# Altium PCB 驱动板 - 副本.PcbDoc
Units mm, origin at the board's own origin, x right, y up, seen from the top; angles counter-clockwise.
Board outline 85 x 75 mm, 4 copper layers (Top Layer, Mid 1, Mid 2, Bottom Layer), stack 1.58 mm thick; 134 components, 87 nets, 501 pads, 323 vias.
Unrouted connection lines stored in the file: 87.
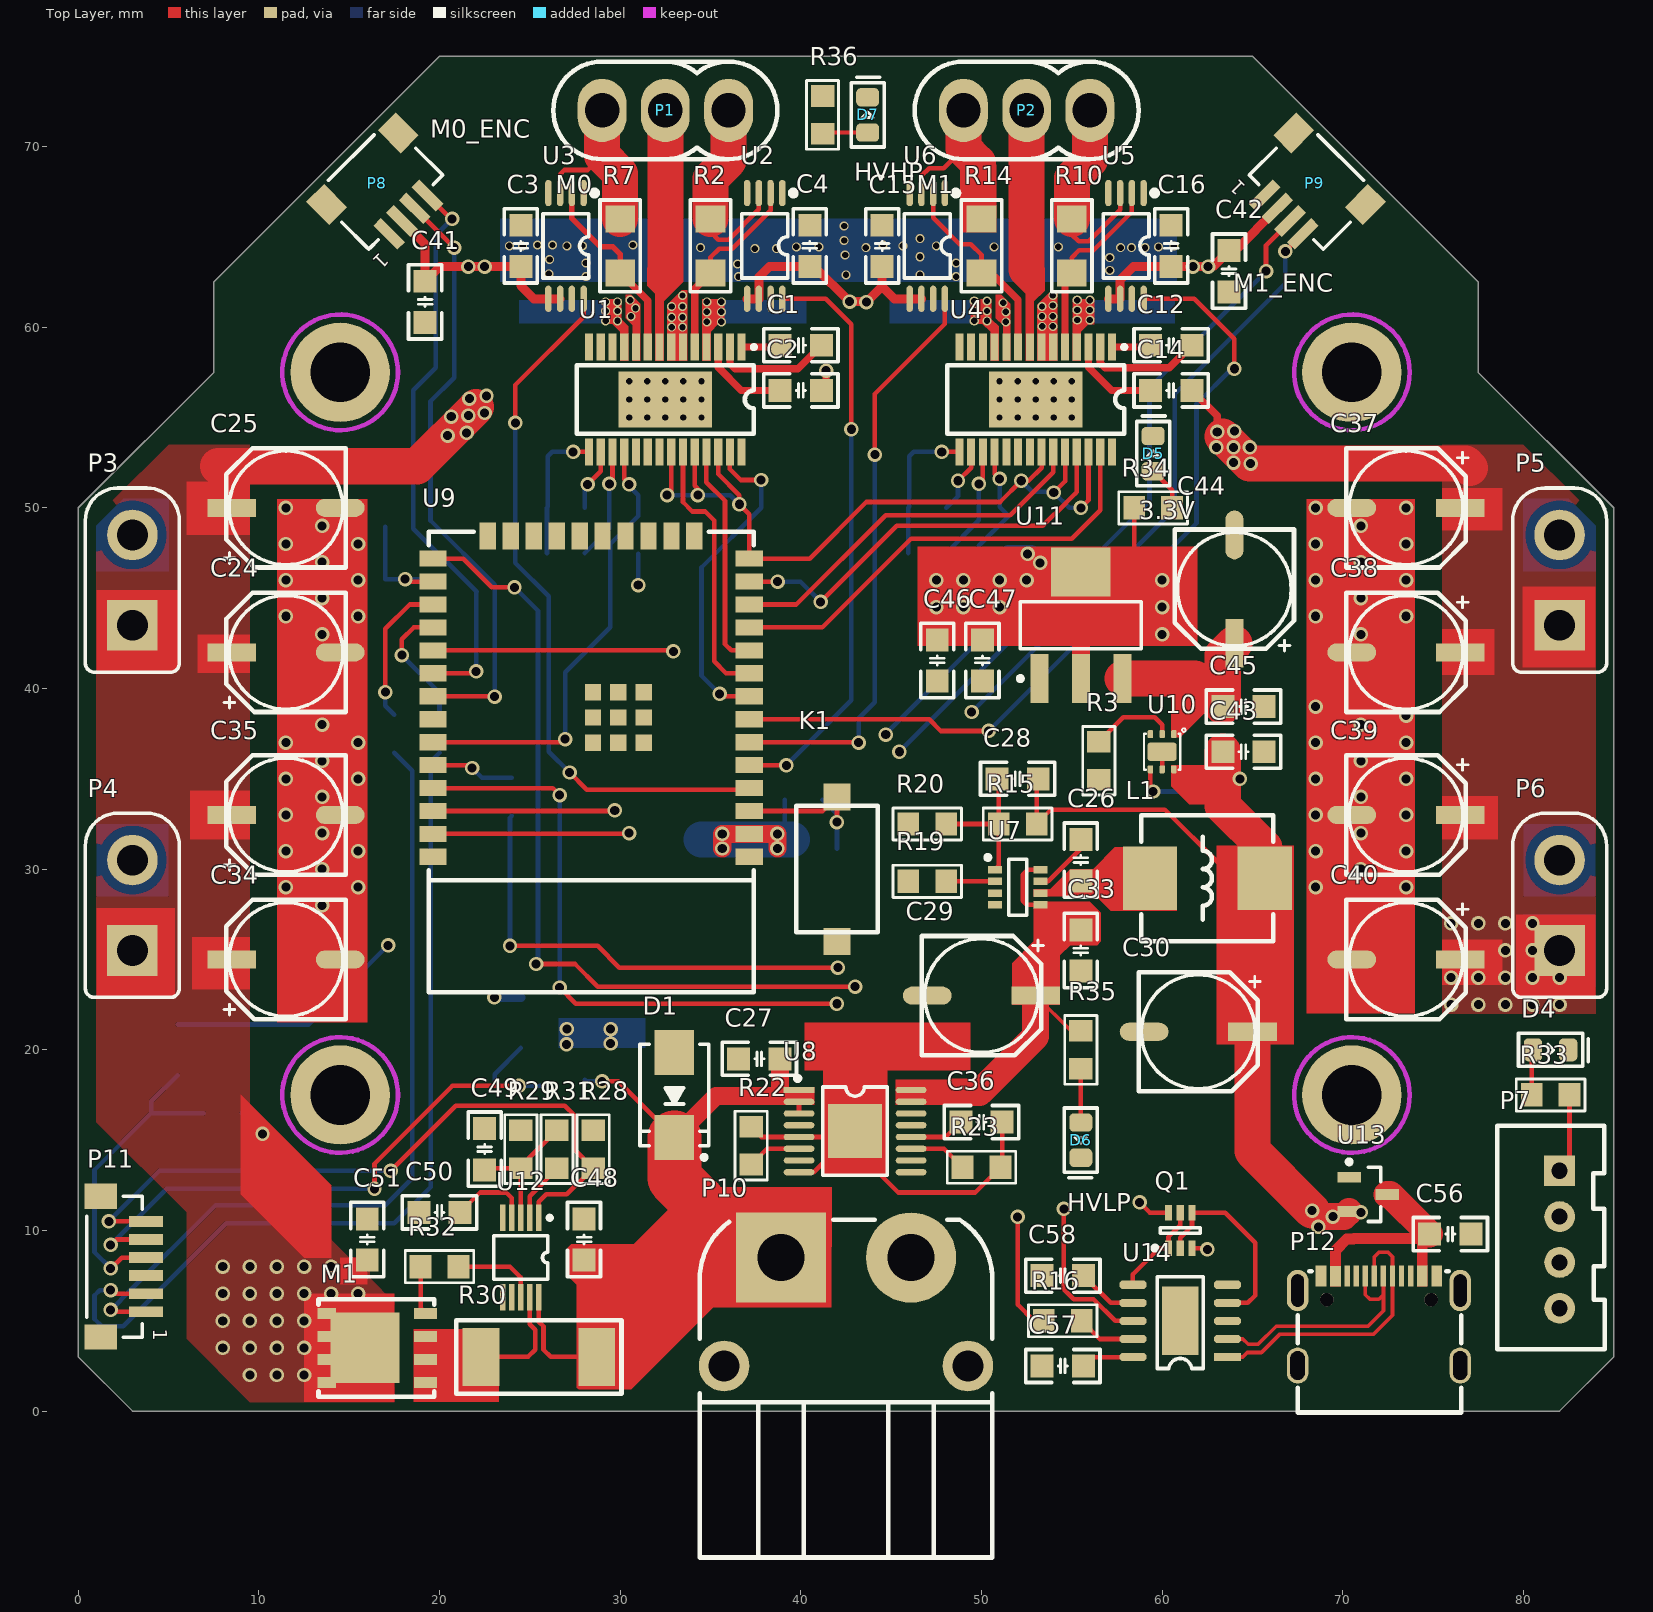
[diagram p0: Top Layer view]
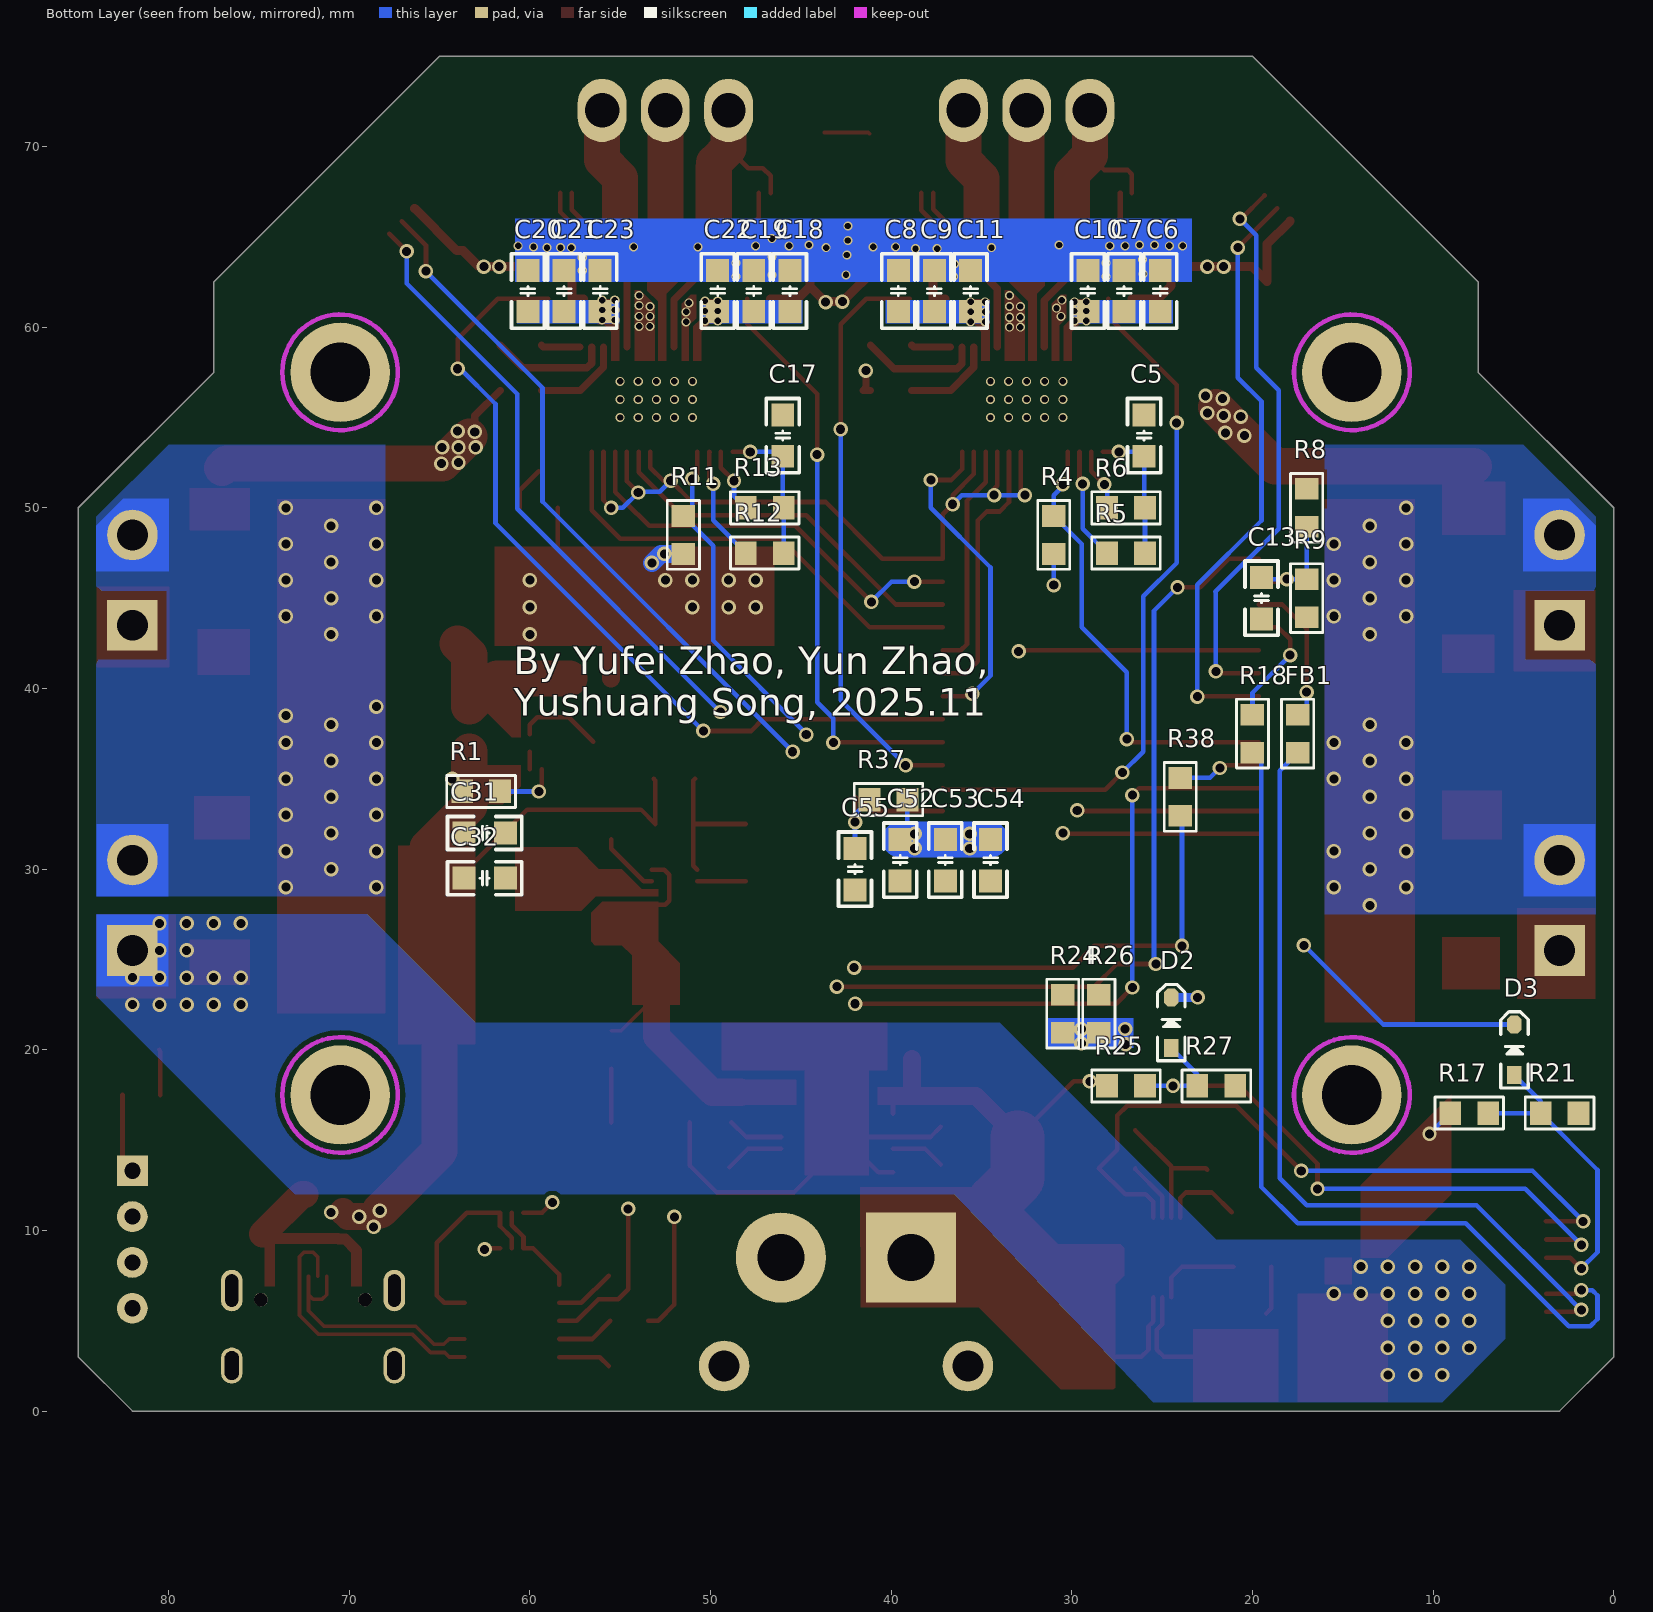
[diagram p1: Bottom Layer view, seen from below]
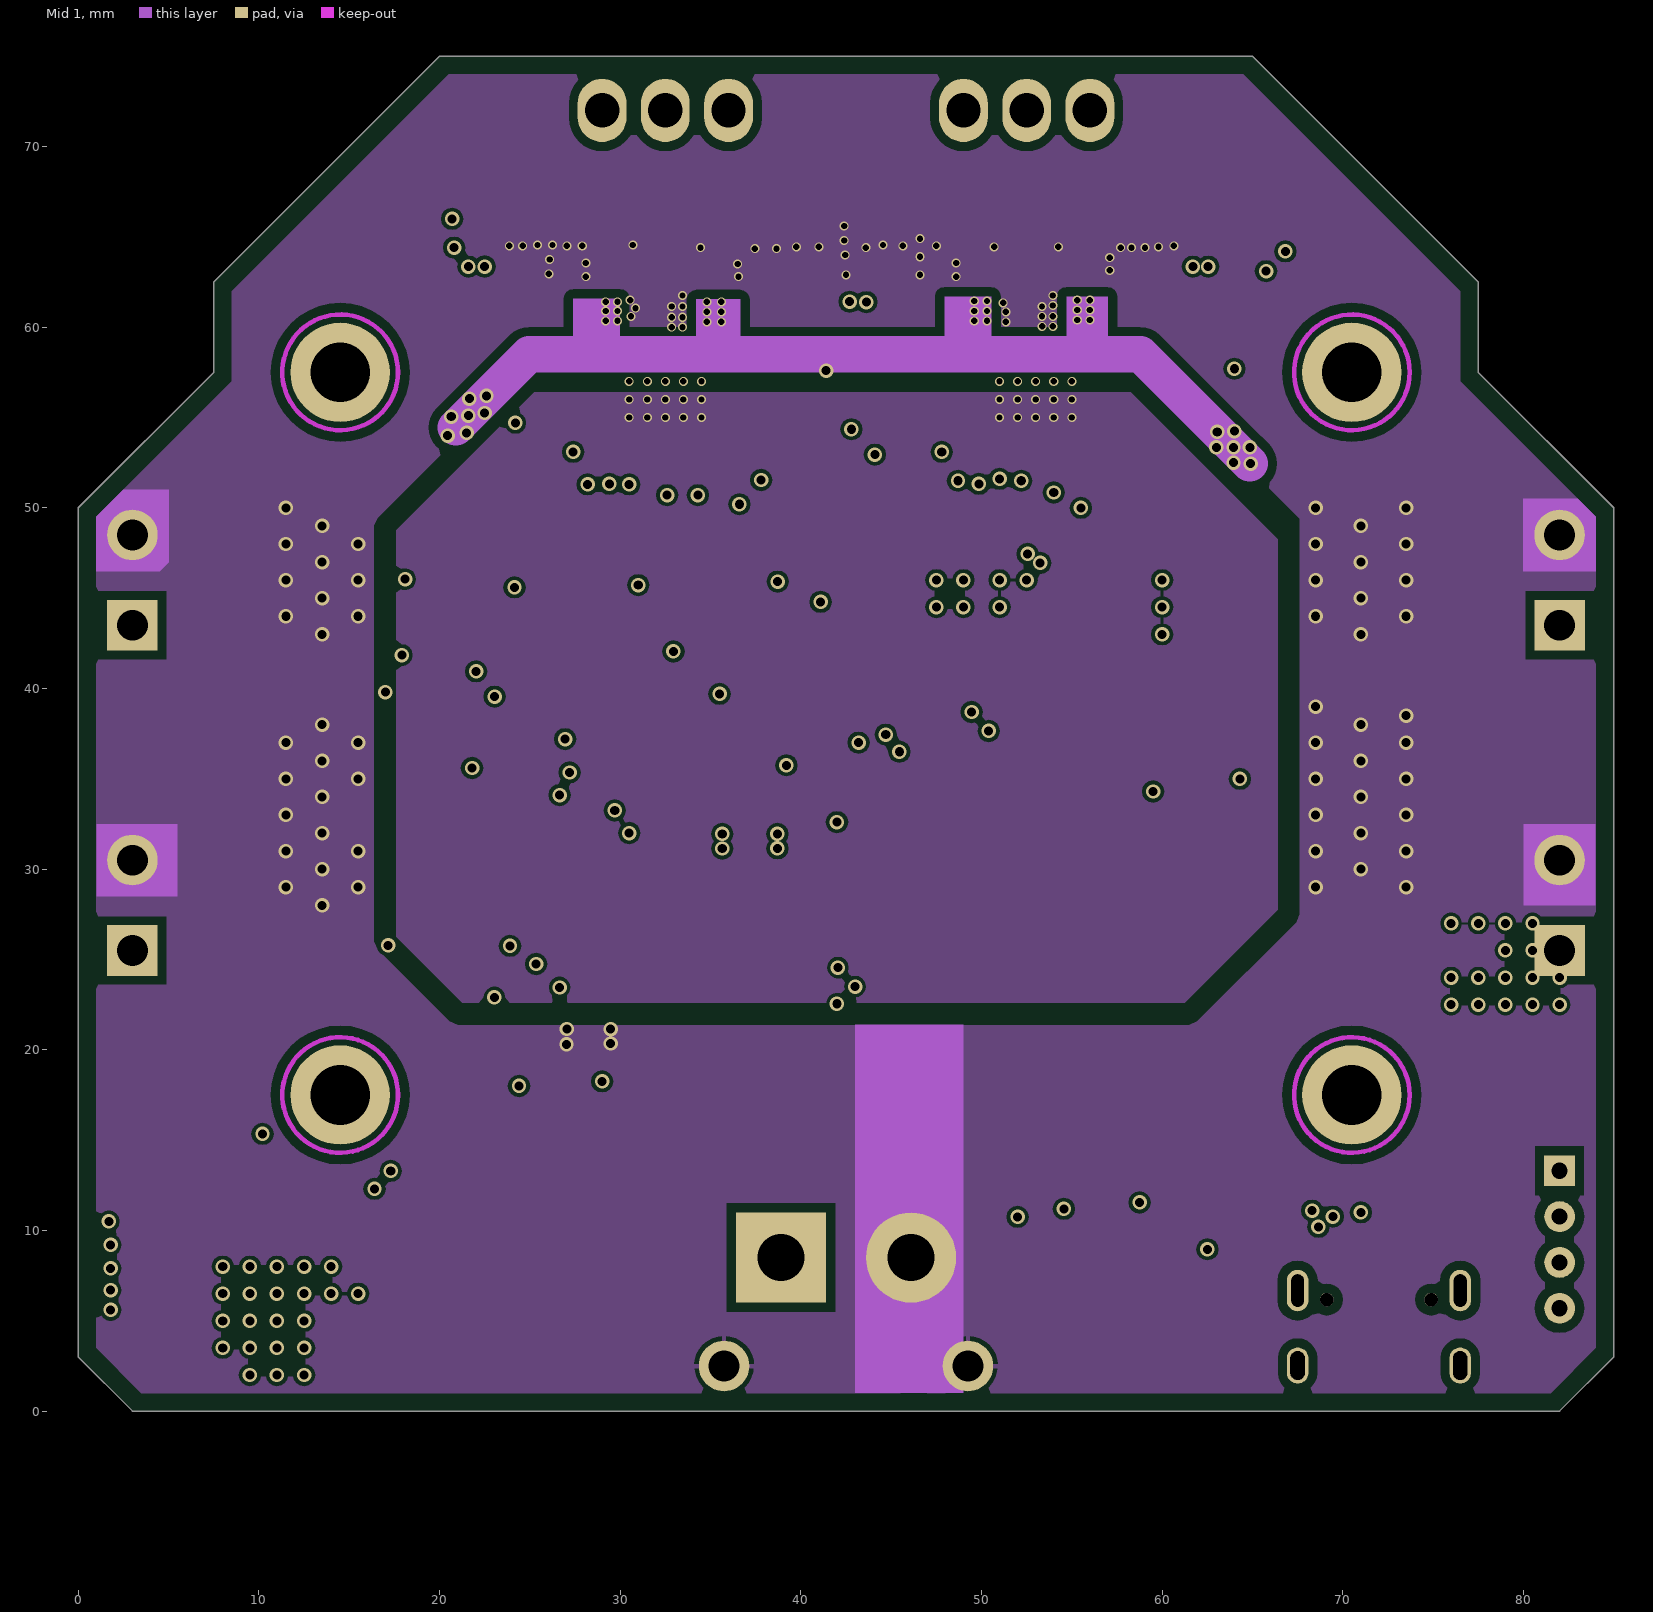
[diagram p2: Mid 1]
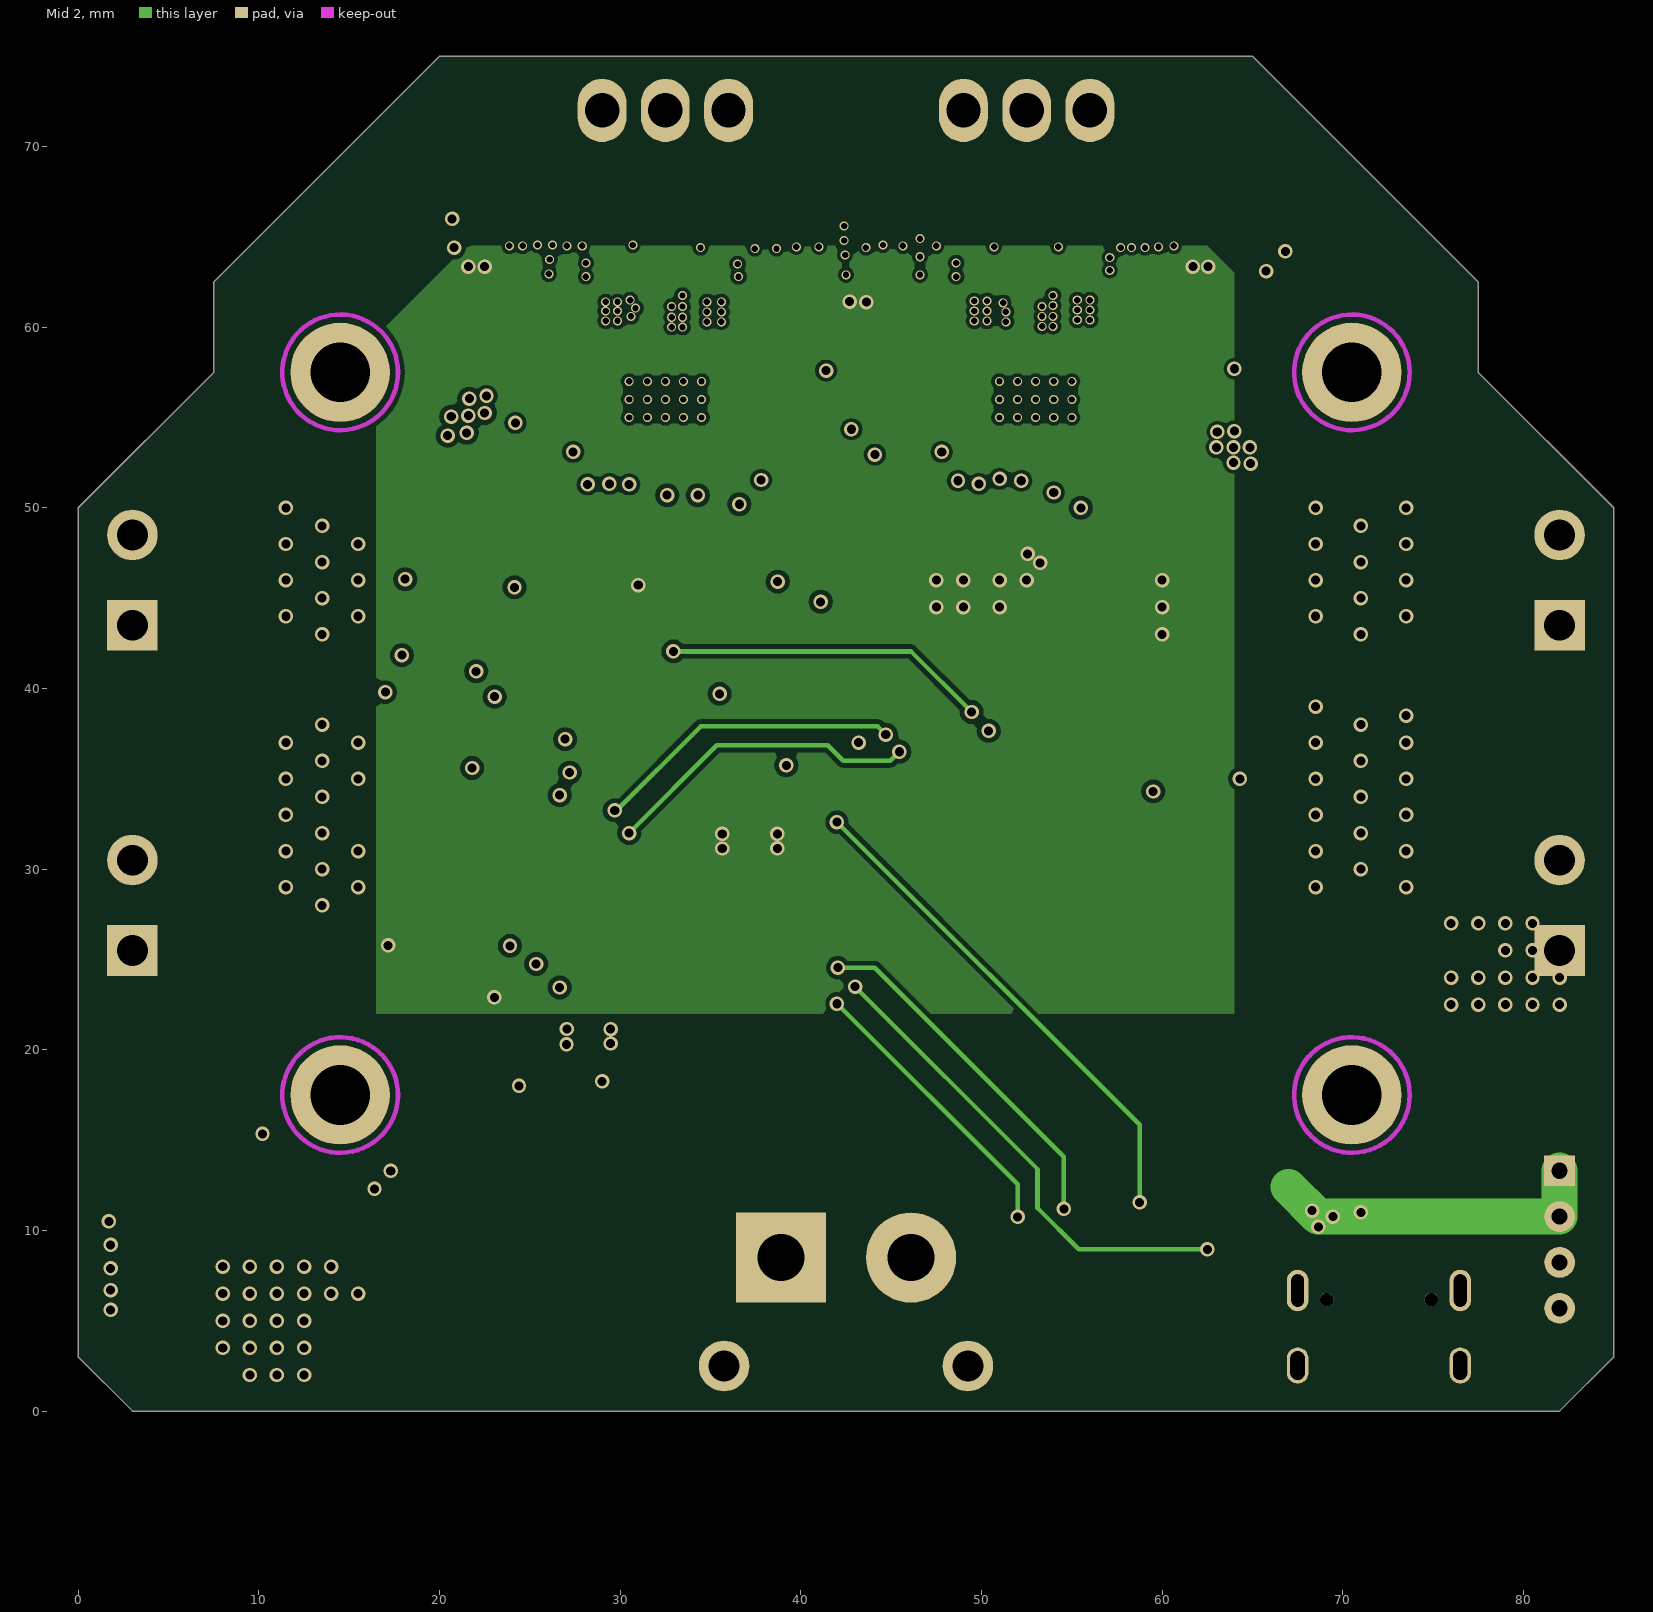
[diagram p3: Mid 2]
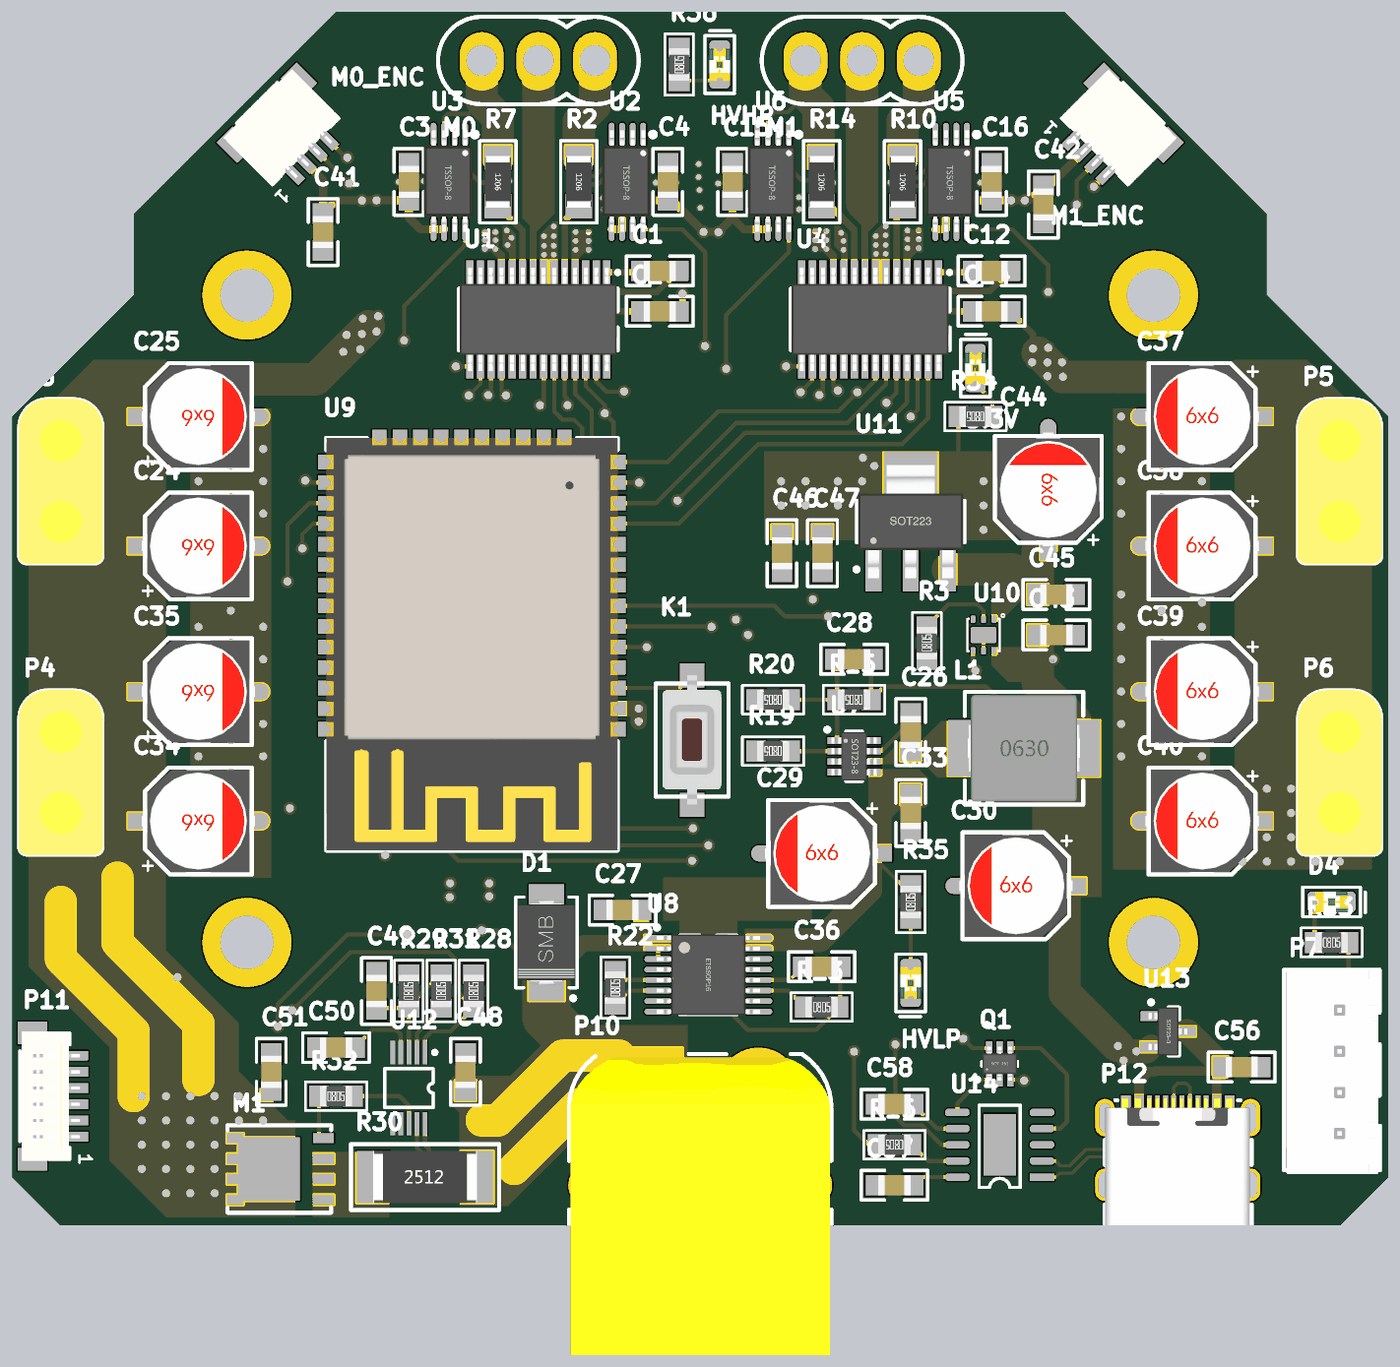
[diagram p4: 3D render of the assembled board from above, using the file's embedded part models]
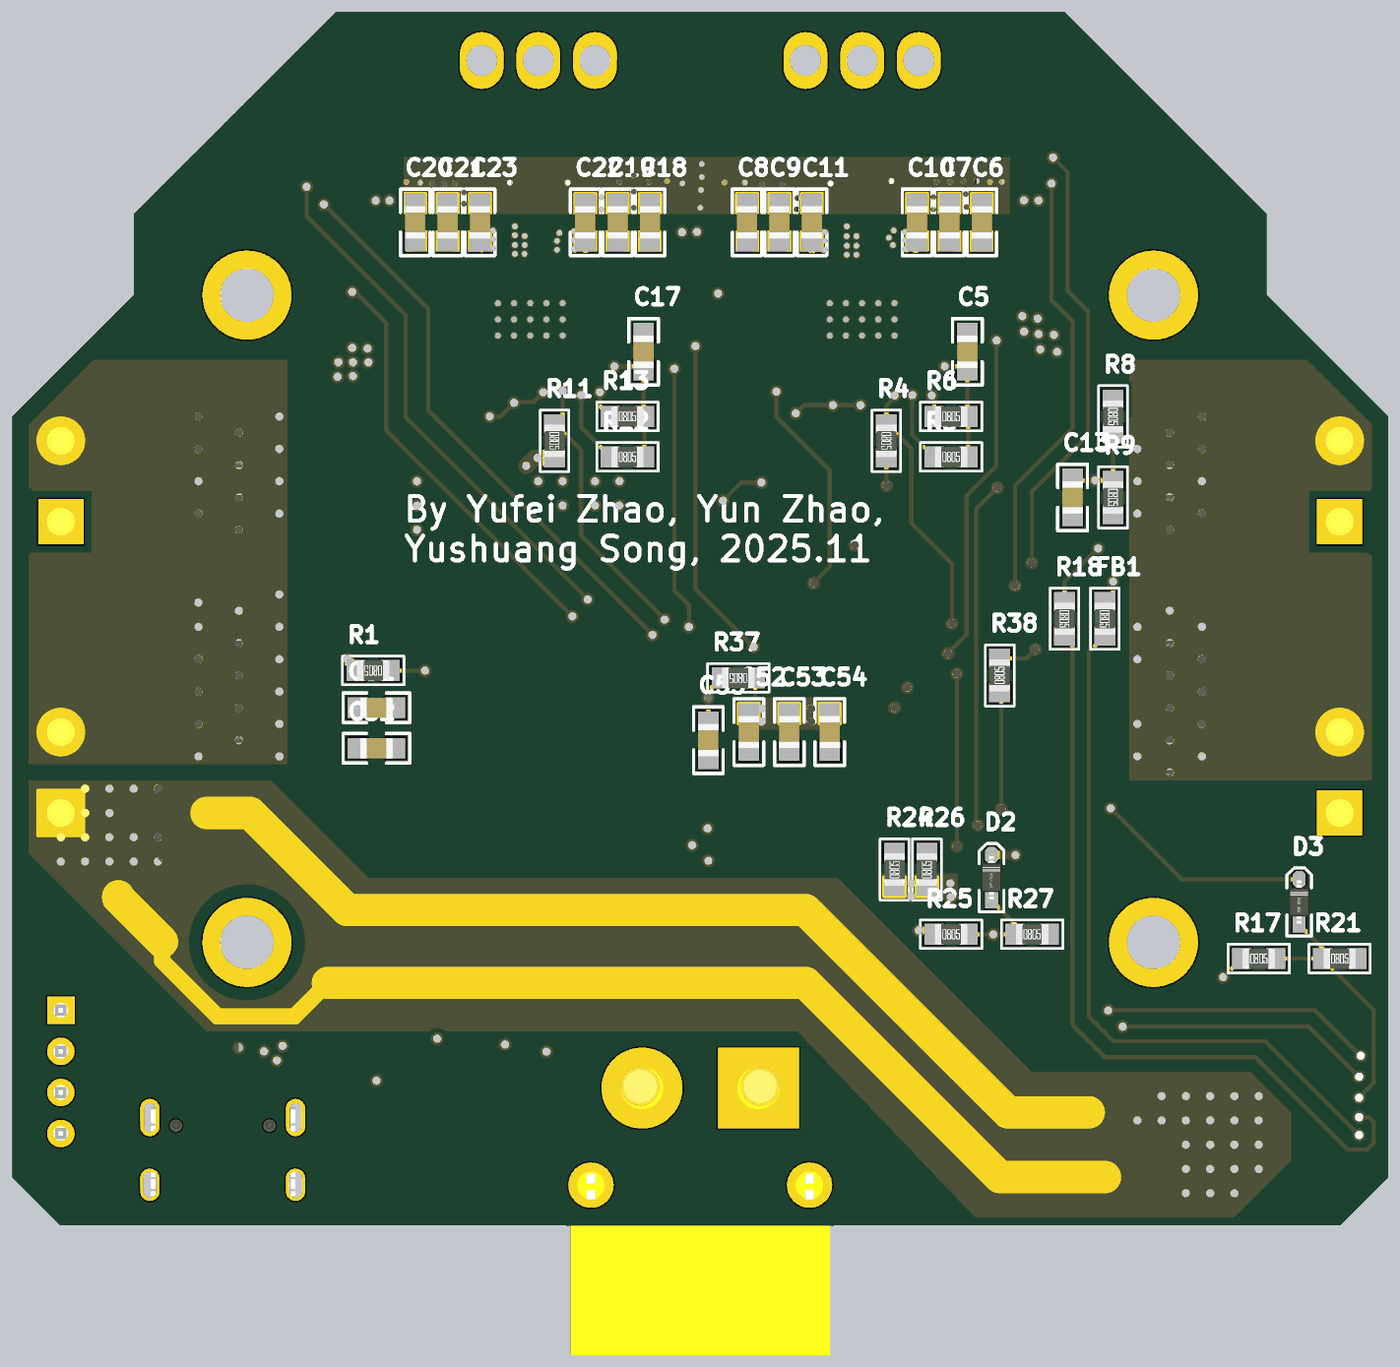
[diagram p5: 3D render of the assembled board from below, using the file's embedded part models]

## Layer stack, top to bottom
Top Solder: solder mask 0.01, Solder Resist, Dk 3.5
Top Layer: signal copper 0.035
Dielectric 1: prepreg 0.21, Dk 4.2
Mid 1: signal copper 0.015
Dielectric 3: core 1.06, Dk 4.2
Mid 2: signal copper 0.015
Dielectric 2: prepreg 0.21, Dk 4.2
Bottom Layer: signal copper 0.035
Bottom Solder: solder mask 0.01, Solder Resist, Dk 3.5

## Board outline
0,3 0,50 7.5,57.5 7.5,62.5 20,75 65,75 77.5,62.5 77.5,57.5 85,50 85,3 82,0 3,0

## Design rules (kind name [scope] priority, off if disabled: settings)
Clearance Clearance_1 [OnLayer('Mid 1')] p1: gap=0.2 ignorepadtopadclearanceinfootprint=TRUE except(0.5: Arc-Fill Arc-Poly Arc-Region Track-Fill Track-Poly Track-Region THPad-Fill THPad-Poly THPad-Region Fill-Fill Fill-Poly Fill-Region Poly-Poly Poly-Region Region-Region)
Clearance Clearance_8313 [WithinRoom('8313')] p2: gap=0.2 ignorepadtopadclearanceinfootprint=TRUE
Clearance Clearance_HV [InNetClass('GNDs') vs InNetClass('HV')] p3: gap=0.5 ignorepadtopadclearanceinfootprint=TRUE
Clearance [All] p4: gap=0.254 ignorepadtopadclearanceinfootprint=TRUE except(0: Arc-Hole Track-Hole SMDPad-Hole THPad-Hole Via-Hole Fill-Hole Poly-Hole Region-Hole Text-Hole; 0.2: Arc-Arc Arc-Track Arc-SMDPad Track-Track Track-SMDPad SMDPad-Fill SMDPad-Poly SMDPad-Region)
ComponentClearance [All] p1: gap=0 collisioncheckmode=3 verticalgap=0 showdistances=FALSE
DiffPairsRouting [All] p1: maxlimit=0.254 minlimit=0.254 mostfreqgap=0.254 toplayer_minwidth=0.1 toplayer_maxwidth=0.381 toplayer_prefwidth=0.381 midlayer1_minwidth=0.1 midlayer1_maxwidth=0.381 midlayer1_prefwidth=0.381 midlayer2_minwidth=0.1 midlayer2_maxwidth=0.381 midlayer2_prefwidth=0.381 bottomlayer_minwidth=0.1 bottomlayer_maxwidth=0.381 bottomlayer_prefwidth=0.381 maxuncoupledlength=12.7
Height [All] p1: minheight=0 maxheight=1000 prefheight=12.7
HoleSize [All] p1: absolutevalues=TRUE maxlimit=10 minlimit=0.025 maxpercent=80.000 minpercent=20.000
HoleToHoleClearance [All] p1: gap=0 allowstackedmicrovias=TRUE
MinimumSolderMaskSliver [All] p1: minsoldermaskwidth=0
PlaneConnect [All] p1: pad.planeconnectstyle=Relief pad.reliefexpansion=0.508 pad.reliefentries=4 pad.reliefconductorwidth=0.254 pad.reliefairgap=0.254 via.planeconnectstyle=Direct via.reliefexpansion=0.508 via.reliefentries=4 via.reliefconductorwidth=0.254 via.reliefairgap=0.254
PolygonConnect [All] p1: thpad.connectstyle=Relief thpad.reliefconductorwidth=0.254 thpad.reliefentries=4 thpad.polygonreliefangle="90 Angle" thpad.airgapwidth=0.254 smdpad.connectstyle=Relief smdpad.reliefconductorwidth=0.254 smdpad.reliefentries=4 smdpad.polygonreliefangle="90 Angle" smdpad.airgapwidth=0.254 via.connectstyle=Direct via.reliefconductorwidth=0.254 via.reliefentries=4 via.polygonreliefangle="90 Angle" via.airgapwidth=0.254
RoomDefinition 8313 [False] p1: confinementstyle=ConfineIn formatcopy=TRUE lockcomponents=FALSE outline 22.55,74.2 64.2,74.2 64.2,50.781 22.55,50.781
RoutingVias [All] p1: holewidth=0.711 width=1.27 viastyle="Through Hole" minholewidth=0.1 minwidth=0.1 maxholewidth=10 maxwidth=10
SilkToSilkClearance [All] p1: silktosilkclearance=0
SilkToSolderMaskClearance [IsPad] p1: minsilkscreentomaskgap=0 clearancetoexposedcopper=TRUE
SolderMaskExpansion [All] p1: expansion=0.102
UnRoutedNet [All] p1: checkbadconnections=TRUE
Width [All] p1: maxlimit=10 minlimit=0.1 preferedwidth=0.254 minimp=50.000000 maximp=50.000000 favimp=50.000000
20 further rules are at their usual default settings.

## Classes and differential pairs
component class HVHV: U8
net class GNDs: GND PGND
net class HV: HVIN HVLP M0_A M0_B M0_C M0_OUT1 M0_OUT2 M1_A M1_B M1_C M1_OUT1 M1_OUT2 VCCFOC
component class HVIC: U1 U2 U3 U4 U5 U6
component class FOC主控M: C41 C42 C52 C53 C54 C55 C56 C57 C58 K1 P8 P9 P12 Q1 R16 R37 R38 U9 U13 U14
component class 各路供电与接口: C24 C25 C26 C27 C28 C29 C30 C31 C32 C33 C34 C35 C36 C37 C38 C39 C40 C43 C44 C45 C46 C47 C48 C49 C50 C51 D1 D2 D3 D4 D5 D6 D7 FB1 L1 M1 P3 P4 P5 P6 P7 P10 P11 R1 R3 R15 R17 R18 R19 R20 R21 R22 R23 R24 R25 R26 R27 R28 R29 R30 R31 R32 R33 R34 R35 R36 U7 U8 U10 U11 U12
component class FOC功率: C1 C2 C3 C4 C5 C6 C7 C8 C9 C10 C11 C12 C13 C14 C15 C16 C17 C18 C19 C20 C21 C22 C23 P1 P2 R2 R4 R5 R6 R7 R8 R9 R10 R11 R12 R13 R14 U1 U2 U3 U4 U5 U6
differential pair USB: +USB_P -USB_N

## Components (designator, comment, footprint, x,y, rotation, side; value= is the part's Value field where it differs from the comment)
C1 "10nF" C0805_M 40,59 r180 top
C2 "0.1uF" C0805_M 40,56.5 r180 top
C3 "0.1uF" C0805_M 24.5,64.5 r90 top
C4 "0.1uF" C0805_M 40.5,64.5 r90 top
C5 "470nF" C0805_M 26,54 r270 bottom
C6 "10uF/>35V" C0805_M 25.105,62 r270 bottom
C7 "10uF/>35V" C0805_M 27.105,62 r270 bottom
C8 "10uF/>35V" C0805_M 39.605,62 r270 bottom
C9 "10uF/>35V" C0805_M 37.605,62 r270 bottom
C10 "0.1uF/>35V" C0805_M 29.105,62 r270 bottom
C11 "0.1uF/>35V" C0805_M 35.605,62 r270 bottom
C12 "10nF" C0805_M 60.5,59 r180 top
C13 "0.1uF" C0805_M 19.5,45 r90 bottom
C14 "0.1uF" C0805_M 60.5,56.5 r180 top
C15 "0.1uF" C0805_M 44.5,64.5 r90 top
C16 "0.1uF" C0805_M 60.5,64.5 r90 top
C17 "470nF" C0805_M 46,54 r270 bottom
C18 "10uF/>35V" C0805_M 45.605,62 r270 bottom
C19 "10uF/>35V" C0805_M 47.605,62 r270 bottom
C20 "10uF/>35V" C0805_M 60.105,62 r270 bottom
C21 "10uF/>35V" C0805_M 58.105,62 r270 bottom
C22 "0.1uF/>35V" C0805_M 49.605,62 r270 bottom
C23 "0.1uF/>35V" C0805_M 56.105,62 r270 bottom
C24 "100uF/50V" "CS 6*6 - R" 11.5,42 r180 top
C25 "100uF/50V" "CS 6*6 - R" 11.5,50 r180 top
C26 "10nF" C0805_M 55.5,30.5 r270 top
C27 "1uF/>35V" C0805_M 37.7,19.5 r180 top
C28 "22pF" C0805_M 52,35 r0 top
C29 "100uF/>35V" "CS 6*6 - R" 50,23 r0 top
C30 "100uF" "CS 6*6 - R" 62,21 r0 top
C31 "10uF" C0805_M 62.5,32 r0 bottom
C32 "0.1uF" C0805_M 62.5,29.5 r0 bottom
C33 "0.1uF/>35V" C0805_M 55.5,25.5 r90 top
C34 "100uF/50V" "CS 6*6 - R" 11.5,25 r180 top
C35 "100uF/50V" "CS 6*6 - R" 11.5,33 r180 top
C36 "1uF" C0805_M 50,16 r0 top
C37 "100uF/50V" "CS 6*6 - R" 73.5,50 r0 top
C38 "100uF/50V" "CS 6*6 - R" 73.5,42 r0 top
C39 "100uF/50V" "CS 6*6 - R" 73.5,33 r0 top
C40 "100uF/50V" "CS 6*6 - R" 73.5,25 r0 top
C41 "1uF" C0805_M 19.2,61.4 r270 top
C42 "1uF" C0805_M 63.7,63.1 r270 top
C43 "0.1uF" C0805_M 64.5,36.5 r0 top
C44 "220uF" "CS 6*6 - R" 64,45.5 r270 top
C45 "0.1uF" C0805_M 64.5,39 r180 top value=100pF
C46 "10uF" C0805_M 47.55,41.55 r90 top value=100pF
C47 "0.1uF" C0805_M 50.05,41.55 r90 top value=100pF
C48 "1uF/>35V" C0805_M 28,9.5 r270 top
C49 "10uF" C0805_M 22.5,14.5 r270 top value=100pF
C50 "0.1uF" C0805_M 20,11 r0 top value=100pF
C51 "10uF/>35V" C0805_M 16,9.5 r270 top
C52 "10uF" C0805_M 39.5,30.5 r270 bottom value=100pF
C53 "0.1uF" C0805_M 37,30.5 r270 bottom value=100pF
C54 "1nF" C0805_M 34.5,30.5 r270 bottom value=100pF
C55 "0.1uF" C0805_M 42,30 r90 bottom
C56 "10uF" C0805_M 75.95,9.8 r180 top
C57 "0.1uF" C0805_M 54.5,2.5 r0 top
C58 "10uF" C0805_M 54.5,7.5 r0 top
D1 "SMBJ36CA" SMB 33,17.5 r90 top
D2 "SS14" SOD-323 24.5,21.5 r90 bottom
D3 "SS14" SOD-323 5.5,20 r90 bottom
D4 "5V" LED0805_G 81.5,20 r0 top
D5 "3.3V" LED0805_G 59.5,53 r90 top
D6 "HVLP" LED0805_G 55.5,15 r270 top
D7 "HVHP" LED0805_G 43.7,71.75 r90 top
FB1 "100R" R0805_M 17.5,37.5 r270 bottom
K1 "EN" SW_SMT 42,30 r180 top
L1 "4.7uH" L-SMD-0630 62.5,29.5 r0 top value=10mH
M1 "NMOS" DFN8L-5X6 16.5,3.5 r90 top
P1 "M0" MR30PB-F 32.5,72 r180 top locked
P2 "M1" MR30PB-F 52.5,72 r180 top locked
P3 "XT30PB-F" XT30PB-F 3,46 r90 top locked
P4 "XT30PB-F" XT30PB-F 3,28 r90 top locked
P5 "XT30PB-F" XT30PB-F 82,46 r90 top locked
P6 "XT30PB-F" XT30PB-F 82,28 r90 top locked
P7 "POWER" XH2.54-LI-4P 82,9.5 r270 top
P8 "M0_ENC" SH1.0-WT-4P 17,67.5 r225 top locked
P9 "M1_ENC" SH1.0-WT-4P 68,67.5 r135 top locked
P10 "HVIN" XT60PW-M 42.5,5.5 r0 top locked
P11 "SIGNAL" SH1.0-LT-6P 2.5,8 r270 top
P12 "Type_C-16P" USB-C-SMD_16P 72,5 r180 top locked
Q1 "UMH3N" SOT363_M 61,10 r90 top
R1 "300K" R0805_M 62.7,34.3 r0 bottom value=1K
R2 "10mR" R1206_M 35,64.5 r270 top
R3 "100K" R0805_M 56.5,36 r90 top value=1K
R4 "10K" R0805_M 31,48.5 r270 bottom value=1K
R5 "10K" R0805_M 27,47.5 r180 bottom value=1K
R6 "10K" R0805_M 27,50 r180 bottom value=1K
R7 "10mR" R1206_M 30,64.5 r270 top
R8 "100K/0.5%" R0805_M 17,50 r270 bottom value=1K
R9 "10K/0.5%" R0805_M 17,45 r270 bottom value=1K
R10 "10mR" R1206_M 55,64.5 r270 top
R11 "10K" R0805_M 51.5,48.5 r270 bottom value=1K
R12 "10K" R0805_M 47,47.5 r180 bottom value=1K